# Altium PCB CB3-ECB_PCB.PcbDoc (part 2 of 4) (continued)
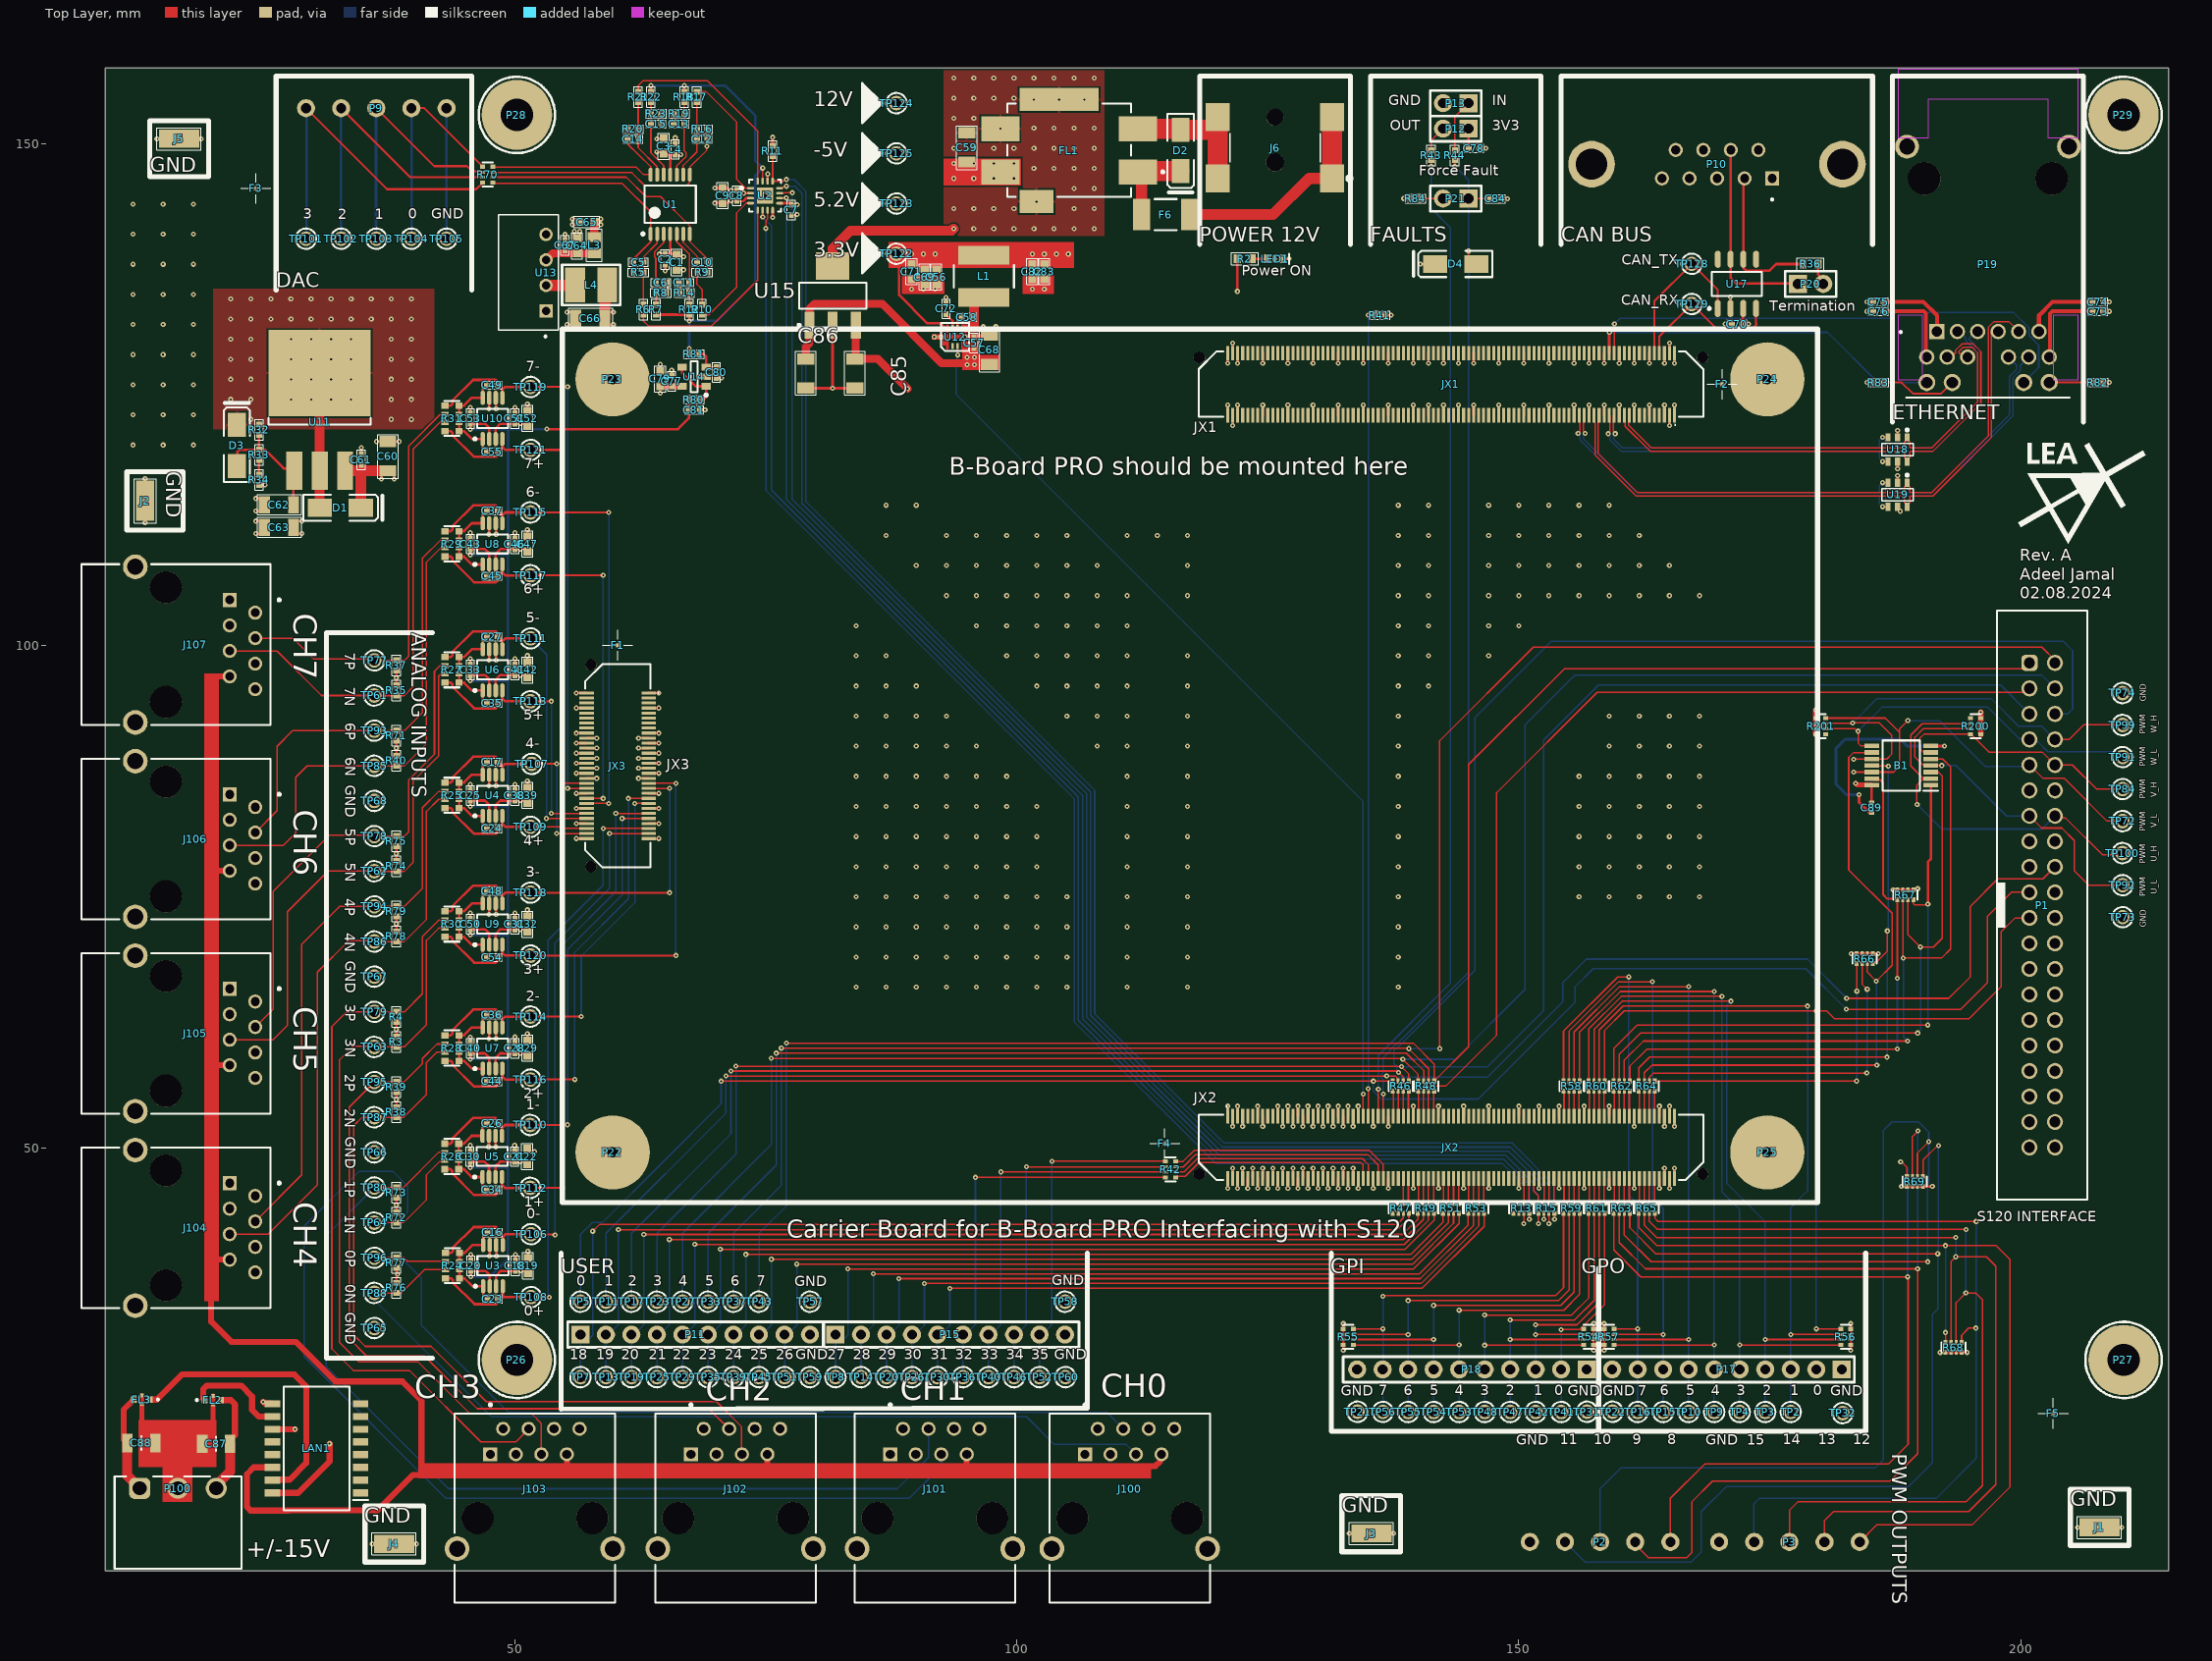
[diagram p0: Top Layer view]
## Nets (pads, with @x,y where several pads share a name; then routed paths per layer and width w, separated by ;. In a path a pad name is that pad's centre, name@x,y a point inside that pad or via, vN(x,y) a via of type N, cw(c..) or ccw(c..) an arc to the next point about the centre after c; other vN are vias at no path point) (continued)
  Top Layer w0.5: v2(183.553,86.309) 183.555,86.309 183.716,86.148 185.089,86.148 B1.14@185.137,86.1
  Top Layer w0.6: R201.8@179.575,91.2 R201.7@179.575,91.75 R201.6@179.575,92.25 R201.5@179.575,92.8 179.575,93.575 v1(179.6,93.6) ; R200.5@196,91.2 R200.6@196,91.75 R200.7@196,92.25 R200.8@196,92.8 v1(196,93.4)
  Layer 2 w0.6: v1@179.575,93.575 179.575,90.195 183.46,86.309 v2(183.553,86.309) ; 196.637,109.2 207.6,109.2 212.725,104.075 212.725,59.451 212.221,58.948 202.881,58.948 202.112,59.716 202.112,61.488 P1.29@200.86,62.74
  other v1: 89.525,139.025 90.7,139.025 91.875,139.025 101.55,139.025 102.75,139.025 103.95,139.025 105.15,139.025
  other v2: 137.311,132.925
5V2: C1.2 C2.2 C8.2 C9.2 C18.2 C19.2 C21.2 C22.2 C28.2 C29.2 C31.2 C32.2 C38.2 C39.2 C41.2 C42.2 C46.2 C47.2 C51.2 C52.2 C63.2 C77.2 C79.2 D1.A D3.K JX3.10 JX3.11 JX3.13 JX3.14 JX3.16 JX3.17 JX3.44 JX3.45 JX3.47 JX3.48 JX3.50 JX3.51 R32.2 TP123.1 U1.4 U2.3 U3.3 U3.7 U4.3 U4.7 U5.3 U5.7 U6.3 U6.7 U7.3 U7.7 U8.3 U8.7 U9.3 U9.7 U10.3 U10.7 U11.2 U14.5 | length 79
  Top Layer w0.25: C63.2@28.4,111.175 v1(28.825,111.175) ; C63.2@28.4,112.425 v1(28.825,112.425) ; v2(64.425,139.017) C2.2@64.997,139.017 ; v1(64.5,125.175) C79.2@64.5,125.85 ; C1.2@66.142,138.939 66.22,139.017 66.22,138.953 66.417,138.755 v2(66.825,138.755) ; v2(69.925,144.1) C9.2@70.725,144.1 71.245,144.1 71.484,144.339 v2(71.553,144.339) 71.56,144.332 72.118,144.332 C8.2@72.125,144.325 ; C8.2@72.125,144.35 C8.2@72.125,144.325 ; U2.3@73.497,144.584 73.049,144.584 72.765,144.3 72.15,144.3 C8.2@72.125,144.325
  Top Layer w0.254: v2@47.447,50.126 U5.7@47.447,51.194 ; v2@47.472,60.921 U7.7@47.472,61.989 ; v2@47.472,73.265 U9.7@47.472,74.333 ; v2@47.472,86.092 U4.7@47.472,87.16 ; v2@47.472,98.589 U6.7@47.472,99.657 ; v2@47.472,111.136 U8.7@47.472,112.204 ; v2@47.472,123.633 U10.7@47.472,124.701 ; v2@47.52,39.248 U3.7@47.52,40.316 ; U5.3@48.097,47.094 48.097,48.162 48.554,48.619 C21.2@50.005,48.619 ; U7.3@48.122,57.889 48.122,58.957 48.579,59.414 C28.2@50.03,59.414 v2(50.575,59.412) ; U9.3@48.122,70.233 48.122,71.301 48.579,71.758 C31.2@50.03,71.758 v2(50.575,71.757) ; U4.3@48.122,83.06 48.122,84.128 48.579,84.585 C38.2@50.03,84.585 v2(50.575,84.584) ; U6.3@48.122,95.557 48.122,96.625 48.579,97.082 C41.2@50.03,97.082 v2(50.575,97.081) ; U8.3@48.122,108.104 48.122,109.172 48.579,109.629 C46.2@50.03,109.629 v2(50.575,109.628) ; U10.3@48.122,120.601 48.122,121.669 48.579,122.126 C51.2@50.03,122.126 v2(50.575,122.125) ; U3.3@48.17,36.216 48.17,37.284 48.627,37.741 C18.2@50.078,37.741 v2@50.622,37.741 ; C21.2@50.005,48.619 v2@50.549,48.619 ; v2(50.55,48.618) C22.2@50.923,48.619 ; v2(50.575,122.125) 50.576,122.126 C52.2@50.948,122.126 ; v2@50.576,59.414 C29.2@50.948,59.414 ; v2@50.576,71.758 C32.2@50.948,71.758 ; v2@50.576,84.585 C39.2@50.948,84.585 ; v2@50.576,97.082 C42.2@50.948,97.082 ; v2@50.576,109.629 C47.2@50.948,109.629 ; v2@50.624,37.741 C19.2@50.996,37.741 ; v2(56.146,87.305) JX3.44@57.16,87.305 ; v2(56.146,89.305) JX3.48@57.16,89.305 ; v2(56.146,90.305) JX3.50@57.16,90.305 ; JX3.45@57.16,87.805 v2(58.175,87.805) ; JX3.47@57.16,88.805 v2(58.175,88.805) ; JX3.51@57.16,90.805 v2(58.175,90.805) ; v2(62.336,87.805) JX3.16@63.35,87.805 ; v2(62.336,88.805) JX3.14@63.35,88.805 ; v2(62.336,90.805) JX3.10@63.35,90.805 ; JX3.17@63.35,87.305 v2(64.365,87.305) ; JX3.13@63.35,89.305 v2(64.365,89.305) ; JX3.11@63.35,90.305 v2(64.365,90.305) ; C2.2@64.997,139.017 65.496,139.017 ; U1.4@65.496,141.026 65.496,139.017 ; C1.2@66.22,139.017 65.496,139.017
  Top Layer w0.6: C79.2@64.5,125.85 C77.2@65.65,125.85 U14.5@66.675,125.85
  Top Layer w1: D1.A@30.55,113.715 D1.A@30.585,113.75 U11.2@30.585,117.45 U11.2@30.585,127.15
  other v1: 23.725,122.55 37.725,122.55 39.725,122.55 21.725,124.55 23.725,124.55 27.725,124.55 29.725,124.55 31.725,124.55 33.725,124.55 37.725,124.55 39.725,124.55 21.725,126.55 23.725,126.55 27.725,126.55 29.725,126.55 31.725,126.55 33.725,126.55 37.725,126.55 39.725,126.55 21.725,128.55 23.725,128.55 27.725,128.55 29.725,128.55 31.725,128.55 33.725,128.55 37.725,128.55 39.725,128.55 21.725,130.55 23.725,130.55 27.725,130.55 29.725,130.55 31.725,130.55 33.725,130.55 37.725,130.55 39.725,130.55 21.725,132.55 23.725,132.55 25.725,132.55 27.725,132.55 29.725,132.55 31.725,132.55 33.725,132.55 35.725,132.55 37.725,132.55 39.725,132.55 21.725,134.55 23.725,134.55 25.725,134.55 27.725,134.55 29.725,134.55 31.725,134.55 33.725,134.55 35.725,134.55 37.725,134.55 39.725,134.55
  other v2: 50.623,37.74 47.488,39.216 47.415,50.094 47.44,60.889 47.44,73.233 47.44,86.06 47.44,98.557 47.44,111.104 47.44,123.601
+5V: C85.2 P1.11 U15.3 | length 241.7
  Top Layer w0.8: U15.3@83.975,131.7 83.975,128.647 C85.2@83.9,128.572 86.178,128.572 v1(89.15,125.6)
  Layer 2 w0.8: v1(89.15,125.6) 89.15,112.4 91.9,109.65 111.4,109.65 114.025,107.025 114.025,43.237 118.612,38.65 186.221,38.65 198.376,50.805 198.376,84.626 199.25,85.5 200.76,85.5 P1.11@200.86,85.6
+12V: C57.2 C59.2 C60.2 C61.2 C66.2 C68.2 C86.2 D1.K FL1.2 JX2.13 JX2.14 JX2.15 JX2.16 JX2.18 JX2.19 JX2.20 JX2.21 JX2.23 JX2.24 JX2.25 JX2.26 JX2.155 JX2.156 JX2.157 JX2.158 JX2.160 JX2.161 JX2.162 JX2.163 JX2.165 JX2.166 JX2.167 JX2.168 JX2.170 JX2.171 JX2.172 JX2.173 L4.1 R2.2 TP124.1 U11.3 U12.4 U15.1 | length 68
  Top Layer w0.25: v1(36.75,116.6) C60.2@36.75,117.025 ; v1(38,116.6) C60.2@38,117.025 ; C66.2@59.408,131.987 v1(59.833,131.987) ; C66.2@59.408,133.237 v1(59.833,133.237) ; v1(121.975,135.3) R2.2@121.975,138.55
  Top Layer w0.254: JX2.173@124.505,46.96 v2(124.505,47.961) ; v2(125.005,45.959) JX2.172@125.005,46.96 ; JX2.171@125.505,46.96 v2(125.505,47.961) ; v2(126.005,45.959) JX2.170@126.005,46.96 ; v2(127.005,45.959) JX2.168@127.005,46.96 ; JX2.13@127.005,53.15 v2(127.005,54.151) ; JX2.167@127.505,46.96 v2(127.505,47.961) ; v2(127.505,52.149) JX2.14@127.505,53.15 ; v2(128.005,45.959) JX2.166@128.005,46.96 ; JX2.15@128.005,53.15 v2(128.005,54.151) ; JX2.165@128.505,46.96 v2(128.505,47.961) ; v2(128.505,52.149) JX2.16@128.505,53.15 ; JX2.163@129.505,46.96 v2(129.505,47.961) ; v2(129.505,52.149) JX2.18@129.505,53.15 ; v2(130.005,45.959) JX2.162@130.005,46.96 ; JX2.19@130.005,53.15 v2(130.005,54.151) ; JX2.161@130.505,46.96 v2(130.505,47.961) ; v2(130.505,52.149) JX2.20@130.505,53.15 ; v2(131.005,45.959) JX2.160@131.005,46.96 ; JX2.21@131.005,53.15 v2(131.005,54.151) ; v2(132.005,45.959) JX2.158@132.005,46.96 ; JX2.23@132.005,53.15 v2(132.005,54.151) ; JX2.157@132.505,46.96 v2(132.505,47.961) ; v2(132.505,52.149) JX2.24@132.505,53.15 ; v2(133.005,45.959) JX2.156@133.005,46.96 ; JX2.25@133.005,53.15 v2(133.005,54.151) ; JX2.155@133.505,46.96 v2(133.505,47.961) ; v2(133.505,52.149) JX2.26@133.505,53.15
  Top Layer w0.8: C86.2@79.014,128.572 79.014,129.808 79.375,130.169 79.375,131.7 79.375,133.581 79.844,134.05 86.625,134.05 92.521,128.154 94.95,128.154 95.05,128.054 v1(95.05,127.985)
  Top Layer w1.1: U11.3@33.125,117.45 34.685,117.45 ; D1.K@34.685,113.75 34.685,117.45 ; C60.2@37.375,117.45 34.685,117.45 ; C66.2@58.983,132.612 58.983,134.108 59.025,134.15 59.025,135.75 L4.1@59.225,135.95
  other v1: 95.8,127.985 95.05,128.735 95.8,128.735 93.725,146.55 95.725,146.55 97.725,146.55 99.725,146.55 93.725,148.05 95.725,148.05 97.725,148.05 99.725,148.05
+15V: C87.2 FL2.3 P100.3 | length 10.7
  Top Layer w0.6: FL2.3@20.75,24.875 21.75,24.875 22.15,24.475 22.15,21.395 21.665,20.91 C87.2@21.665,20.525
  Top Layer w1: P100.3@20.285,16.09 20.285,16.388 21.675,17.778 21.675,20.515 C87.2@21.665,20.525
+15V_1: J100.1 J101.1 J102.1 J103.1 J104.1 J105.1 J106.1 J107.1 LAN1.9 | length 37.6
  Top Layer w0.6: v1(24.961,24.711) 25.102,24.57 25.84,24.57 LAN1.9@25.89,24.52
  Layer 2 w0.6: 19.25,46.475 19.25,46.484 J104.1@21.625,46.484 ; 19.25,104.57 J107.1@21.625,104.57 ; 19.275,85.25 19.317,85.208 J106.1@21.625,85.208 ; 19.375,65.775 19.446,65.846 J105.1@21.625,65.846 ; 19.563,25.878 19.791,25.65 24.022,25.65 v1(24.961,24.711) 24.961,18.464 25.9,17.525 25.9,16.94 25.915,16.925 ; J103.1@47.58,19.45 47.58,17.525 47.68,17.425 49.125,17.425 ; 67.45,17.6 67.497,17.647 67.497,19.367 J102.1@67.555,19.425 ; 85.909,17.15 87.03,17.15 87.405,17.525 J101.1@87.405,19.2 ; 104.175,17.425 104.754,17.425 104.854,17.525 104.854,19.124 105.205,19.475 J100.1@106.805,19.475
+15V_2: J100.2 J101.2 J102.2 J103.2 J104.2 J105.2 J106.2 J107.2 LAN1.11 | length 32.1
  Top Layer w0.6: LAN1.11@25.89,21.98 v1(28.12,21.98)
  Layer 2 w0.6: J104.2@24.165,45.214 26.705,45.214 26.782,45.291 ; J105.2@24.165,64.576 26.824,64.576 26.9,64.5 ; J106.2@24.165,83.938 26.888,83.938 26.9,83.95 ; J107.2@24.165,103.3 26.85,103.3 26.875,103.275 ; 26.775,28.025 26.875,27.925 27.475,27.925 28.12,27.28 28.12,23.8 v1(28.12,21.98) ; J103.2@48.85,21.99 48.85,23.35 49.15,23.65 50.298,23.65 ; 68.64,23.55 68.825,23.365 J102.2@68.825,21.965 ; 87.091,23.65 88.375,23.65 88.675,23.35 J101.2@88.675,21.74 ; 105.438,23.65 107.775,23.65 108.075,23.35 J100.2@108.075,22.015
+15V_FL: FL2.1 LAN1.10 | length 10.3
  Top Layer w0.6: FL2.1@19.15,24.875 19.001,25.024 19.001,25.979 19.353,26.331 22.758,26.331 23.85,25.239 23.85,23.9 24.5,23.25 LAN1.10@25.89,23.25
-5V: C3.1 C4.1 C65.1 L3.2 TP125.1 U1.11 | length 6.6
  Top Layer w0.25: C65.1@58.15,141.95 v1(58.6,141.95) ; C65.1@58.15,142.5 v1(58.6,142.5) ; v2(64.168,149.197) C3.1@64.576,149.197 ; C4.1@65.995,148.935 v2(66.568,148.935)
  Top Layer w0.254: C3.1@64.773,148.935 65.496,148.935 ; U1.11@65.496,146.926 65.496,148.935 ; C4.1@65.995,148.935 65.496,148.935
  Top Layer w0.8: L3.2@57.925,140.7 C65.1@57.925,142.225
-15V: C88.1 FL3.3 P100.1 | length 9.9
  Top Layer w0.6: C88.1@11.435,20.6 11.072,20.963 11.072,23.922 FL3.3@12.075,24.925
  Top Layer w1: C88.1@11.435,20.6 11.425,20.59 11.425,17.344 12.665,16.104 P100.1@12.665,16.09
-15V_1: J100.7 J101.7 J102.7 J103.7 J104.7 J105.7 J106.7 J107.7 LAN1.14 | length 75.4
  Top Layer w0.6: 19.75,38.85 19.764,38.864 J104.7@21.625,38.864 ; 19.775,35.125 19.775,32.7 21.8,30.675 28.2,30.675 32.15,26.725 38.825,26.725 40.725,24.825 40.725,17.4 ; 19.85,58.225 19.851,58.226 J105.7@21.625,58.226 ; 19.875,96.95 J107.7@21.625,96.95 ; 19.925,77.575 19.938,77.588 J106.7@21.625,77.588 ; LAN1.14@25.89,18.17 24.005,18.17 23.35,17.515 23.35,14.226 23.701,13.875 27.555,13.875 27.595,13.915 34.662,13.915 34.667,13.91 36.36,13.91 39.85,17.4 40.725,17.4 ; 40.775,17.8 40.775,17.45 40.725,17.4 ; J103.7@55.2,19.45 55.2,18.3 55.7,17.8 56.775,17.8 ; 75.075,17.975 75.175,18.075 J102.7@75.175,19.425 ; 94.95,17.8 95.025,17.875 J101.7@95.025,19.475 ; 112.775,18 113.075,18.3 113.82,18.3 114.272,18.751 114.272,19.322 J100.7@114.425,19.475
-15V_2: J100.8 J101.8 J102.8 J103.8 J104.8 J105.8 J106.8 J107.8 LAN1.16 | length 183.9
  Top Layer w0.6: LAN1.16@25.89,15.63 28.43,15.63 31.575,18.775 v1(31.575,20.525)
  Layer 2 w0.54: 86.467,20.815 86.477,20.825
  Layer 2 w0.6: J104.8@24.165,37.594 22.915,37.594 22.875,37.634 ; J105.8@24.165,56.956 22.906,56.956 22.875,56.925 ; J106.8@24.165,76.318 22.916,76.318 22.875,76.359 ; J107.8@24.165,95.68 24.165,95.64 22.875,94.35 22.875,76.359 ; J103.8@56.47,21.99 56.623,21.837 57.397,21.837 58.057,21.177 58.057,20.825 ; 76.385,20.815 86.467,20.815 ; J102.8@76.445,21.965 76.385,21.905 76.385,20.825 58.057,20.825 ; 86.477,20.825 94.4,20.825 95.164,20.825 ; J101.8@96.295,21.74 96.079,21.74 95.164,20.825 ; J100.8@115.695,22.015 114.505,20.825 95.164,20.825 ; 22.875,37.634 22.875,56.925 ; 22.875,37.634 22.875,28.975 26.655,25.195 26.655,21.57 27.7,20.525 v1(31.575,20.525) 31.875,20.825 58.057,20.825 ; 22.875,56.925 22.875,76.359
-15V_FL: FL3.1 LAN1.15 | length 28.8
  Top Layer w0.6: FL3.1@13.675,24.925 14.375,24.925 16.875,27.425 28.053,27.425 29.243,26.235 29.243,18.593 27.6,16.95 25.94,16.95 LAN1.15@25.89,16.9
ADC0_N: J100.5 R24.3 R76.2 TP88.1 | length 91.3
  Top Layer w0.152: TP88.1@36.025,35.55 R76.2@38.225,35.55 38.725,35.55 41.05,37.875 R24.3@43.399,37.875
  Bottom Layer w0.152: TP88.1@36.025,35.55 36.189,35.386 36.189,34.686 47.675,23.2 101,23.2 103.748,20.452 110.908,20.452 J100.5@111.885,19.475
ADC0_P: J100.4 R24.2 R77.2 TP96.1 | length 92
  Top Layer w0.152: TP96.1@36.025,39.05 R77.2@38.225,39.05 38.95,39.05 39.291,38.709 R24.2@43.447,38.709
  Bottom Layer w0.152: TP96.1@36.025,39.05 38.7,39.05 40.717,37.033 40.717,32.333 49.4,23.65 108.98,23.65 J100.4@110.615,22.015
ADC1_N: J101.5 R26.3 R72.2 TP64.1 | length 115.4
  Top Layer w0.152: TP64.1@36.025,42.55 R72.2@38.225,42.55 38.925,42.55 41.225,44.85 41.225,47.325 42.552,48.652 42.948,48.652 R26.3@43.041,48.744
  Bottom Layer w0.152: TP64.1@36.025,42.55 38.275,42.55 39.35,43.625 39.35,46.175 37.85,47.675 34.525,47.675 29.025,42.175 29.025,29.225 43.175,15.075 89.275,15.075 92.485,18.285 J101.5@92.485,19.475
ADC1_P: J101.4 R26.2 R73.2 TP80.1 | length 97.2
  Top Layer w0.152: TP80.1@36.025,46.05 R73.2@38.225,46.05 38.925,46.05 42.419,49.544 R26.2@43.041,49.544
  Bottom Layer w0.152: TP80.1@36.025,46.05 31.251,41.276 31.251,28.2 43.401,16.05 88.108,16.05 91.215,19.157 J101.4@91.215,21.74
ADC2_N: J102.5 R28.3 R38.2 TP87.1 | length 80
  Top Layer w0.152: R28.3@43.066,59.539 42.266,59.539 41.225,58.498 41.225,55.325 38.95,53.05 R38.2@38.225,53.05 TP87.1@36.025,53.05 34.825,53.05 33.971,52.196 33.971,31.379 35.125,30.225 41.675,30.225 47.175,24.725 70.098,24.725 72.577,22.246 72.577,19.483 J102.5@72.635,19.425
ADC2_P: J102.4 R28.2 R39.2 TP95.1 | length 77.1
  Top Layer w0.152: R28.2@43.066,60.339 42.266,60.339 40.819,58.891 40.819,58.394 38.975,56.55 R39.2@38.225,56.55 TP95.1@36.025,56.55 33.525,54.05 33.525,31 35.248,29.277 41.016,29.277 46.274,24.02 69.326,24.02 J102.4@71.365,21.982
ADC3_N: J103.5 R3.2 R30.3 TP63.1 | length 75.5
  Top Layer w0.152: R30.3@43.066,71.883 42.445,71.883 41.225,70.663 41.225,62.275 39,60.05 R3.2@38.225,60.05 TP63.1@36.025,60.05 35.975,60.1 33.9,60.1 32.575,58.775 32.575,30.6 34.475,28.7 40.35,28.7 45.525,23.525 51.692,23.525 52.66,22.557 J103.5@52.66,19.475
ADC3_P: J103.4 R4.2 R30.2 TP79.1 | length 75.1
  Top Layer w0.152: R30.2@43.066,72.683 42.445,72.683 40.819,71.057 40.819,65.344 39.025,63.55 R4.2@38.225,63.55 TP79.1@36.025,63.55 33.275,63.55 31.8,62.075 31.8,29.975 33.95,27.825 39.525,27.825 46.625,20.725 50.125,20.725 J103.4@51.39,21.99
ADC4_N: J104.5 R25.3 R78.2 TP86.1 | length 58.2
  Top Layer w0.152: J104.5@21.625,41.404 25.454,41.404 30.35,46.3 30.35,67.5 33.5,70.65 35.925,70.65 TP86.1@36.025,70.55 R78.2@38.225,70.55 39.025,70.55 41.225,72.75 41.225,83.51 42.425,84.71 R25.3@43.066,84.71
ADC4_P: J104.4 R25.2 R79.2 TP94.1 | length 54.8
  Top Layer w0.152: J104.4@24.165,42.674 28.8,47.309 28.8,70.275 32.575,74.05 TP94.1@36.025,74.05 R79.2@38.225,74.05 39.025,74.05 40.819,75.844 40.819,83.884 42.445,85.51 R25.2@43.066,85.51
ADC5_N: J105.5 R27.3 R74.2 TP62.1 | length 52.6
  Top Layer w0.152: J105.5@21.625,60.766 25.941,60.766 27.375,62.2 27.375,73.525 31.425,77.575 36,77.575 TP62.1@36.025,77.55 R74.2@38.225,77.55 39.025,77.55 39.875,78.4 39.875,86.499 42.425,89.049 42.425,96.975 42.657,97.207 R27.3@43.066,97.207
ADC5_P: J105.4 R27.2 R75.2 TP78.1 | length 48.6
  Top Layer w0.152: J105.4@24.165,62.036 25.95,63.821 25.95,75.55 31.55,81.15 35.925,81.15 TP78.1@36.025,81.05 R75.2@38.225,81.05 39.025,81.05 39.469,81.494 39.469,86.667 42.019,89.217 42.019,97.469 42.55,98 43.059,98 R27.2@43.066,98.007
ADC6_N: J106.5 R29.3 R40.2 TP85.1 | length 47.6
  Top Layer w0.152: J106.5@21.625,80.128 26.978,80.128 28.2,81.35 28.2,86.9 29.325,88.025 36,88.025 TP85.1@36.025,88.05 R40.2@38.225,88.05 39.025,88.05 41.225,90.25 41.225,108.339 42.64,109.754 R29.3@43.066,109.754
ADC6_P: J106.4 R29.2 R71.2 TP93.1 | length 43.8
  Top Layer w0.152: J106.4@24.165,81.398 26.35,83.583 26.35,90 27.9,91.55 TP93.1@36.025,91.55 R71.2@38.225,91.55 39.025,91.55 40.819,93.344 40.819,108.733 42.64,110.554 R29.2@43.066,110.554
ADC7_N: J107.5 R31.3 R35.2 TP61.1 | length 48.4
  Top Layer w0.152: J107.5@21.625,99.49 26.335,99.49 26.4,99.425 30.775,95.05 TP61.1@36.025,95.05 R35.2@38.225,95.05 39.025,95.05 39.875,95.9 39.875,119.575 42.551,122.251 R31.3@43.066,122.251
ADC7_P: J107.4 R31.2 R37.2 TP77.1 | length 42.2
  Top Layer w0.152: J107.4@24.165,100.76 27.915,100.76 30,98.675 35.9,98.675 TP77.1@36.025,98.55 R37.2@38.225,98.55 39.025,98.55 39.469,98.994 39.469,119.919 42.577,123.027 43.041,123.027 R31.2@43.066,123.051
AIN0_N: C16.2 JX3.29 R24.1 TP106.1 U3.5 | length 59.9
  Top Layer w0.152: v2(59.45,81.305) JX3.29@63.35,81.305
  Top Layer w0.203: TP106.1@51.436,41.4 51.474,41.362 53.988,41.362 v2(54.025,41.325)
  Top Layer w0.254: R24.1@43.114,39.536 43.699,39.536 43.848,39.685 43.848,40.04 45.911,42.103 48.163,42.103 48.348,41.918 C16.2@48.347,41.573 48.821,41.1 ; U3.5@48.82,40.316 48.821,41.1 ; TP106.1@51.436,41.4 49.12,41.4 48.821,41.1
  Bottom Layer w0.152: v2(54.025,41.325) 54.025,70.413 59.45,75.838 v2(59.45,81.305)
AIN0_P: C23.2 JX3.28 R24.4 TP108.1 U3.4 | length 66.7
  Top Layer w0.152: v2@58.816,81.805 v2(58.82,81.805) JX3.28@63.35,81.805
  Top Layer w0.203: TP108.1@51.626,35.133 53.442,35.133 v2(53.45,35.125)
  Top Layer w0.254: R24.4@43.114,36.996 43.699,36.996 43.848,36.847 43.848,36.59 46.008,34.43 48.163,34.43 48.347,34.614 C23.2@48.347,34.959 ; 48.815,35.132 TP108.1@51.626,35.133
  Top Layer w0.3: C23.2@48.347,34.96 48.447,35.06 48.742,35.06 48.815,35.132 U3.4@48.815,36.211
  Bottom Layer w0.152: v2(53.45,35.125) 53.382,35.193 53.382,35.352 53.342,35.392 53.342,70.67 58.82,76.148 v2(58.82,81.805)
AIN1_N: C26.2 JX3.26 R26.1 TP110.1 U5.5 | length 50.4
  Top Layer w0.152: v2(60.71,82.805) JX3.26@63.35,82.805
  Top Layer w0.203: TP110.1@51.552,52.278 55.253,52.278 v2(55.275,52.3)
  Top Layer w0.254: R26.1@43.041,50.414 43.626,50.414 43.775,50.563 43.775,50.918 45.838,52.981 48.09,52.981 48.275,52.796 C26.2@48.274,52.451 48.748,51.978 ; U5.5@48.747,51.194 48.748,51.978 ; TP110.1@51.552,52.278 49.047,52.278 48.748,51.978
  Bottom Layer w0.152: v2(55.275,52.3) 55.275,69.758 60.71,75.193 v2(60.71,82.805)
AIN1_P: C34.2 JX3.25 R26.4 TP112.1 U5.4 | length 57.3
  Top Layer w0.152: v2(60.08,83.305) JX3.25@63.35,83.305
  Top Layer w0.203: TP112.1@51.552,46.01 v2@54.765,46.01
  Top Layer w0.254: R26.4@43.041,47.874 43.626,47.874 43.775,47.725 43.775,47.468 45.935,45.308 48.09,45.308 48.274,45.492 C34.2@48.274,45.837 48.747,46.31 ; U5.4@48.747,47.094 48.747,46.31 ; TP112.1@51.552,46.01 49.047,46.01 48.747,46.31
  Bottom Layer w0.152: v2@54.775,46.025 54.719,46.081 54.719,70.168 60.08,75.528 v2(60.08,83.305) v2@60.08,83.307
  other v2: 54.775,46
AIN2_N: C36.2 JX3.23 R28.1 TP114.1 U7.5 | length 41.2
  Top Layer w0.152: v2(61.965,84.305) JX3.23@63.35,84.305
  Top Layer w0.203: TP114.1@51.577,63.072 v2(56.631,63.072)
  Top Layer w0.254: R28.1@43.066,61.209 43.651,61.209 43.8,61.357 43.8,61.713 45.863,63.775 48.115,63.775 48.3,63.59 C36.2@48.299,63.245 48.773,62.773 ; U7.5@48.772,61.989 48.773,62.773 ; TP114.1@51.577,63.072 49.072,63.072 48.773,62.773
  Bottom Layer w0.152: v2(56.631,63.072) 56.631,69.083 61.97,74.421 v2@61.97,84.305
AIN2_P: C44.2 JX3.22 R28.4 TP116.1 U7.4 | length 47.9
  Top Layer w0.152: v2(61.34,84.805) JX3.22@63.35,84.805
  Top Layer w0.203: TP116.1@51.577,56.805 v2(55.994,56.805)
  Top Layer w0.254: R28.4@43.066,58.669 43.651,58.669 43.8,58.52 43.8,58.262 45.96,56.102 48.115,56.102 48.299,56.287 48.299,56.532 C44.2@48.299,56.632 48.772,57.104 ; U7.4@48.772,57.889 48.772,57.104 ; TP116.1@51.577,56.805 49.072,56.805 48.772,57.104
  Bottom Layer w0.152: v2(55.994,56.805) 55.994,69.487 61.34,74.832 v2(61.34,84.805)
AIN3_N: C48.2 JX3.20 R30.1 TP118.1 U9.5 | length 37.6
  Top Layer w0.152: JX3.20@63.35,85.805 v2@65.445,85.805
  Top Layer w0.203: TP118.1@51.577,75.417 v2(65.445,75.417)
  Top Layer w0.254: R30.1@43.066,73.553 43.651,73.553 43.8,73.702 43.8,74.057 45.863,76.12 48.115,76.12 48.3,75.935 C48.2@48.299,75.59 48.773,75.117 ; U9.5@48.772,74.333 48.773,75.117 ; TP118.1@51.577,75.417 49.072,75.417 48.773,75.117
  Bottom Layer w0.152: v2(65.445,75.417) v2(65.445,85.796)
AIN3_P: C54.2 JX3.19 R30.4 TP120.1 U9.4 | length 45.6
  Top Layer w0.152: JX3.19@63.35,86.305 v2(66.055,86.305)
  Top Layer w0.203: TP120.1@51.577,69.149 v2@66.055,69.149
  Top Layer w0.254: R30.4@43.066,71.013 43.651,71.013 43.8,70.864 43.8,70.607 45.96,68.446 48.115,68.446 48.299,68.631 C54.2@48.299,68.976 48.772,69.449 ; U9.4@48.772,70.233 48.772,69.449 ; TP120.1@51.577,69.149 49.072,69.149 48.772,69.449
  Bottom Layer w0.152: v2(66.055,69.159) v2(66.055,86.305)
AIN4_N: C17.2 JX3.32 R25.1 TP107.1 U4.5 | length 23.8
  Top Layer w0.152: v2(54.193,81.305) JX3.32@57.16,81.305
  Top Layer w0.203: TP107.1@51.577,88.244 v2@54.193,88.244
  Top Layer w0.254: R25.1@43.066,86.38 43.651,86.38 43.8,86.529 43.8,86.884 45.863,88.947 48.115,88.947 48.3,88.762 C17.2@48.299,88.417 48.773,87.944 ; U4.5@48.772,87.16 48.773,87.944 ; TP107.1@51.578,88.244 49.072,88.244 48.773,87.944
  Bottom Layer w0.152: v2(54.193,81.305) v2(54.193,88.26)
AIN4_P: C24.2 JX3.33 R25.4 TP109.1 U4.4 | length 16.9
  Top Layer w0.152: TP109.1@51.577,81.976 54.456,81.976 54.628,81.805 JX3.33@57.16,81.805
  Top Layer w0.254: R25.4@43.066,83.84 43.651,83.84 43.8,83.691 43.8,83.434 45.96,81.273 48.115,81.273 48.299,81.458 C24.2@48.299,81.803 48.772,82.276 ; U4.4@48.772,83.06 48.772,82.276 ; TP109.1@51.577,81.976 49.072,81.976 48.772,82.276
AIN5_N: C27.2 JX3.35 R27.1 TP111.1 U6.5 | length 33.9
  Top Layer w0.152: v2@53.202,82.805 JX3.35@57.16,82.805
  Top Layer w0.254: R27.1@43.066,98.877 43.651,98.877 43.8,99.026 43.8,99.381 45.863,101.443 48.115,101.443 48.3,101.259 C27.2@48.299,100.914 48.773,100.441 ; U6.5@48.772,99.657 48.773,100.441 ; TP111.1@51.577,100.741 49.072,100.741 48.773,100.441
  Bottom Layer w0.152: TP111.1@51.577,100.741 53.177,99.141 v2(53.177,82.805)
AIN5_P: C35.2 JX3.36 R27.4 TP113.1 U6.4 | length 28
  Top Layer w0.152: v2(53.659,83.305) JX3.36@57.16,83.305
  Top Layer w0.203: TP113.1@51.577,94.473 v2@53.659,94.473
  Top Layer w0.254: R27.4@43.066,96.337 43.651,96.337 43.8,96.188 43.8,95.931 45.96,93.77 48.115,93.77 48.299,93.955 C35.2@48.299,94.3 48.772,94.773 ; U6.4@48.772,95.557 48.772,94.773 ; TP113.1@51.577,94.473 49.072,94.473 48.772,94.773
  Bottom Layer w0.152: v2(53.659,83.305) v2(53.659,94.483)
AIN6_N: C37.2 JX3.38 R29.1 TP115.1 U8.5 | length 50.3
  Top Layer w0.152: JX3.38@57.16,84.305 v2(59.374,84.305)
  Top Layer w0.203: TP115.1@51.577,113.288 v2(59.374,113.288)
  Top Layer w0.254: R29.1@43.066,111.424 43.651,111.424 43.8,111.573 43.8,111.928 45.863,113.991 48.115,113.991 48.3,113.806 C37.2@48.299,113.461 48.773,112.989 ; U8.5@48.772,112.204 48.773,112.989 ; TP115.1@51.577,113.288 49.072,113.288 48.773,112.989
  Bottom Layer w0.152: v2(59.374,84.305) v2(59.374,113.288)
AIN6_P: C45.2 JX3.39 R29.4 TP117.1 U8.4 | length 42.4
  Top Layer w0.152: JX3.39@57.16,84.805 v2(58.814,84.805)
  Top Layer w0.203: TP117.1@51.577,107.021 v2@58.814,107.021
  Top Layer w0.254: R29.4@43.066,108.884 43.651,108.884 43.8,108.736 43.8,108.478 45.96,106.318 48.115,106.318 48.299,106.503 48.299,106.847 48.772,107.32 ; U8.4@48.772,108.104 48.772,107.32 ; TP117.1@51.577,107.021 49.072,107.021 48.772,107.32
  Bottom Layer w0.152: v2(58.814,84.805) v2(58.814,107.03)
AIN7_N: C49.2 JX3.41 R31.1 TP119.1 U10.5 | length 56.9
  Top Layer w0.152: v2(55.285,85.805) JX3.41@57.16,85.805
  Top Layer w0.203: TP119.1@51.577,125.785 v2@55.285,125.785
  Top Layer w0.254: R31.1@43.066,123.921 43.651,123.921 43.8,124.07 43.8,124.425 45.863,126.488 48.115,126.488 48.3,126.303 C49.2@48.299,125.958 48.773,125.485 ; U10.5@48.772,124.701 48.773,125.485 ; TP119.1@51.577,125.785 49.072,125.785 48.773,125.485
  Bottom Layer w0.152: v2(55.285,85.805) v2(55.285,125.801)
AIN7_P: C55.2 JX3.42 R31.4 TP121.1 U10.4 | length 50.1
  Top Layer w0.152: v2(54.726,86.305) JX3.42@57.16,86.305
  Top Layer w0.203: TP121.1@51.577,119.517 v2@54.726,119.517
  Top Layer w0.254: R31.4@43.066,121.381 43.651,121.381 43.8,121.232 43.8,120.975 45.96,118.815 48.115,118.815 48.299,118.999 C55.2@48.299,119.344 48.772,119.817 ; U10.4@48.772,120.601 48.772,119.817 ; TP121.1@51.577,119.517 49.072,119.517 48.772,119.817
  Bottom Layer w0.152: v2(54.726,86.305) v2(54.726,119.527)
BB_nFLT: JX2.31 R43.1 | length 99
  Top Layer w0.152: JX2.31@136.007,53.15 v2(136.007,55.849) ; v2(141.276,147.765) R43.1@141.276,148.371
  Bottom Layer w0.152: v2(136.007,55.849) 136.007,59.198 143.175,66.367 143.175,141.675 141.276,143.574 v2(141.276,147.765)
BB_RDY: JX2.28 U12.3 | length 93.6
  Top Layer w0.152: U12.3@94.1,129.86 94.112,129.847 94.112,128.972 v1(94.125,128.96) ; JX2.28@134.431,52.943 JX2.28@134.477,52.898 ; JX2.28@134.505,53.15 v2(134.505,55.345)
  Bottom Layer w0.152: v1(94.125,128.96) 94.057,128.892 94.057,128.483 93.975,128.401 93.975,125.025 134.505,84.495 v2(134.505,55.345)
CAN_RX: JX1.177 TP129.1 U17.4 | length 15.5
  Top Layer w0.203: JX1.177@164.005,129.15 164.005,130.83 TP129.1@167.225,134.05 169.775,131.5 173.175,131.5 173.641,131.966 173.641,132.134 173.63,132.145 U17.4@173.63,133.6
CAN_TX: JX1.176 TP128.1 U17.1 | length 16
  Top Layer w0.203: JX1.176@163.505,129.15 163.505,134.33 TP128.1@167.225,138.05 169.82,135.455 U17.1@169.82,133.6
CANH: P10.7 P20.1 U17.7 | length 20
  Top Layer w0.254: P10.7@170.965,149.24 P10.7@170.965,149.55 ; P10.7@171.115,149.39 171.09,149.365 U17.7@171.09,138.5 171.09,136.635 171.65,136.075 P20.1@177.76,136.075
CANL: P10.2 R36.1 U17.6 | length 15.5
  Top Layer w0.254: P10.2@172.335,146.7 P10.2@172.485,146.55 172.36,146.425 U17.6@172.36,138.5 172.36,137.64 172.629,137.371 174.965,137.371 175.619,138.025 R36.1@178.305,138.025
CLK_U: P1.6 R46.2 TP17.1 | length 204.5
  Top Layer w0.152: v2(71.545,57.653) 137.562,57.653 137.896,57.653 v2(138.037,57.512) 138.495,57.053 R46.2@138.495,56.646
  Bottom Layer w0.152: TP17.1@61.639,34.675 61.639,41.495 71.545,51.401 v2(71.545,57.653) ; v2(138.037,57.512) 138.037,57.608 137.855,57.79 137.855,58.114 137.55,58.419 137.55,59.722 137.729,59.9 137.847,59.9 145.625,67.679 145.625,92.85 153.225,100.45 204.211,100.45 205.15,99.511 205.15,93.715 204.655,93.22 P1.6@203.4,93.22
CLK_UDC: P1.19 R46.4 TP5.1 | length 178.6
  Top Layer w0.152: v2(70.568,56.646) v2(135.517,56.646) R46.4@137.445,56.646 ; v2(182.625,63.8) 182.65,63.775 194,63.775 196.675,66.45 196.675,73.061 199.089,75.475 200.825,75.475 P1.19@200.86,75.44
  Bottom Layer w0.152: TP5.1@56.559,34.675 56.559,41.384 57.725,42.55 58.725,42.55 64.766,48.591 70.568,54.393 v2(70.568,56.646) ; v2(135.517,56.646) 135.517,55.651 136.306,54.863 145.963,54.863 155.625,64.525 155.625,66.05 157.425,67.85 178.575,67.85 v2(182.625,63.8)